# Altium PCB STB_LightBoard.PcbDoc (part 2 of 31) (continued)
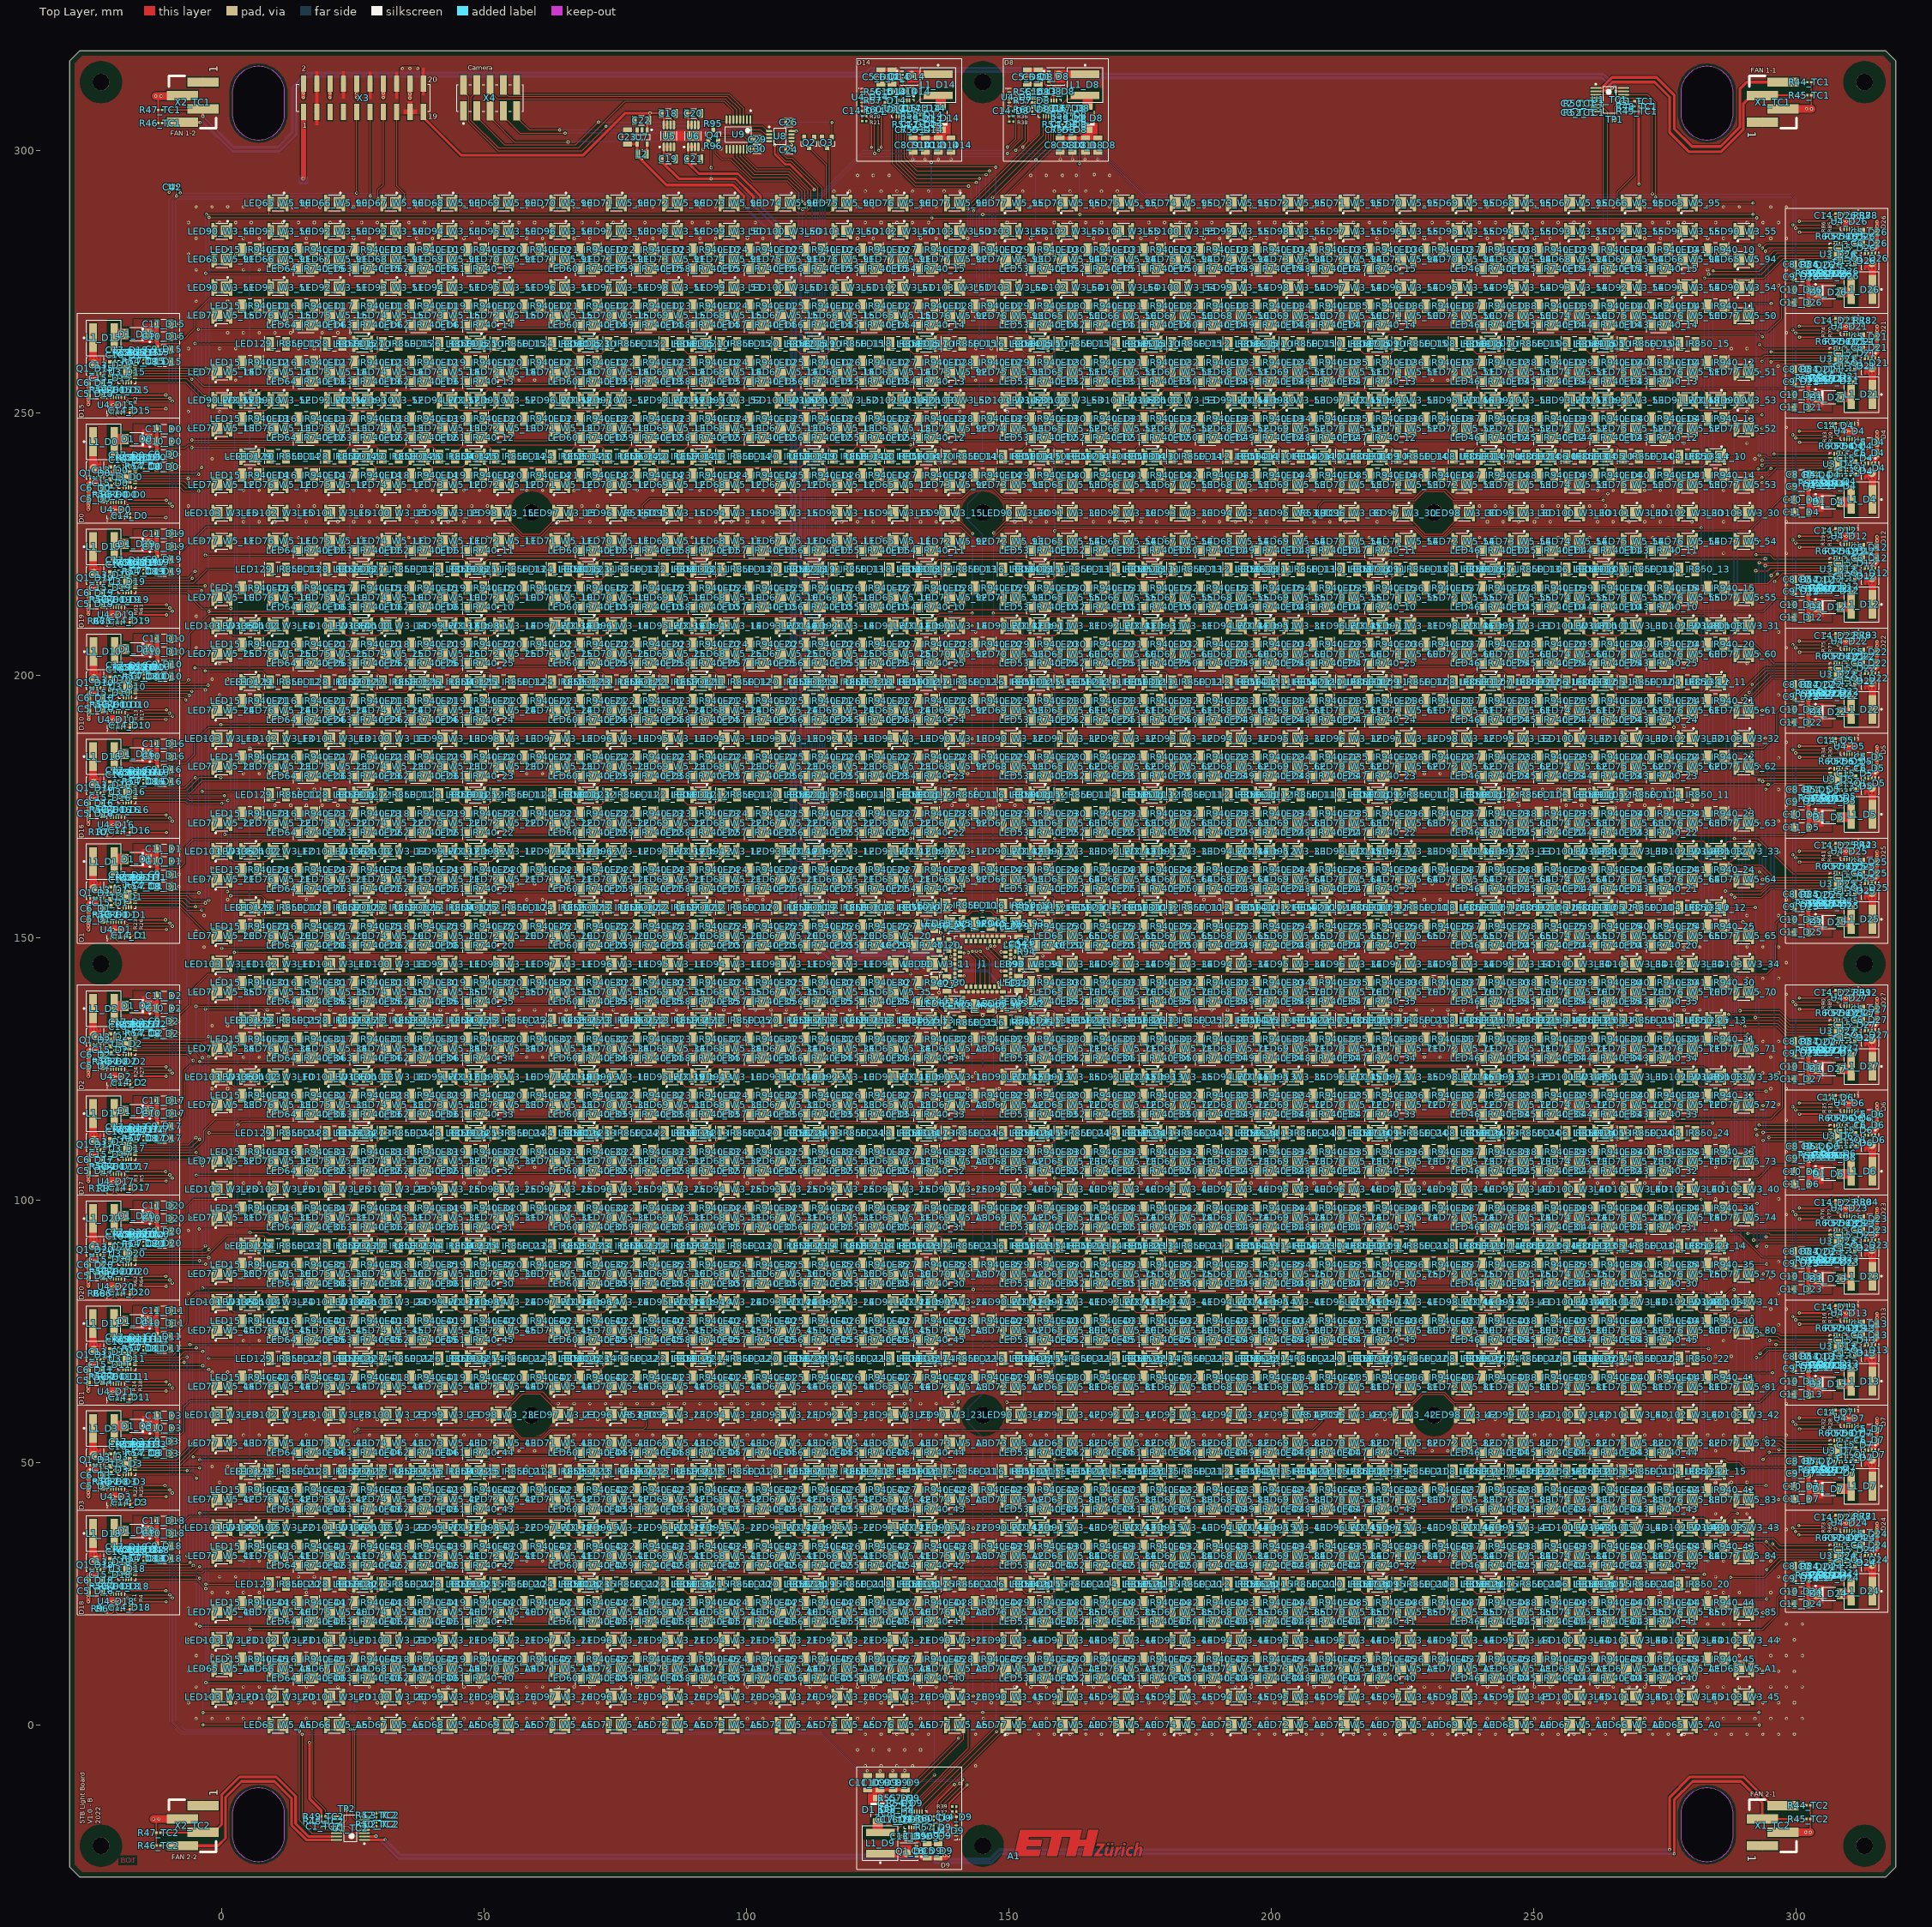
[diagram p0: Top Layer view]
## Classes and differential pairs (continued)
 NetLED55_IR740_40_1 NetLED55_IR740_41_1 NetLED55_IR740_42_1 NetLED55_IR740_43_1 NetLED55_IR740_44_1 NetLED55_IR740_45_1 NetLED56_IR740_10_1 NetLED56_IR740_11_1 NetLED56_IR740_12_1 NetLED56_IR740_13_1 NetLED56_IR740_14_1 NetLED56_IR740_15_1 NetLED56_IR740_20_1 NetLED56_IR740_21_1 NetLED56_IR740_22_1 NetLED56_IR740_23_1 NetLED56_IR740_24_1 NetLED56_IR740_25_1 NetLED56_IR740_30_1 NetLED56_IR740_31_1 NetLED56_IR740_32_1 NetLED56_IR740_33_1 NetLED56_IR740_34_1 NetLED56_IR740_35_1 NetLED56_IR740_40_1 NetLED56_IR740_41_1 NetLED56_IR740_42_1 NetLED56_IR740_43_1 NetLED56_IR740_44_1 NetLED56_IR740_45_1 NetLED57_IR740_10_1 NetLED57_IR740_11_1 NetLED57_IR740_12_1 NetLED57_IR740_13_1 NetLED57_IR740_14_1 NetLED57_IR740_15_1 NetLED57_IR740_20_1 NetLED57_IR740_21_1 NetLED57_IR740_22_1 NetLED57_IR740_23_1 NetLED57_IR740_24_1 NetLED57_IR740_25_1 NetLED57_IR740_30_1 NetLED57_IR740_31_1 NetLED57_IR740_32_1 NetLED57_IR740_33_1 NetLED57_IR740_34_1 NetLED57_IR740_35_1 NetLED57_IR740_40_1 NetLED57_IR740_41_1 NetLED57_IR740_42_1 NetLED57_IR740_43_1 NetLED57_IR740_44_1 NetLED57_IR740_45_1 NetLED58_IR740_10_1 NetLED58_IR740_11_1 NetLED58_IR740_12_1 NetLED58_IR740_13_1 NetLED58_IR740_14_1 NetLED58_IR740_15_1 NetLED58_IR740_20_1 NetLED58_IR740_21_1 NetLED58_IR740_22_1 NetLED58_IR740_23_1 NetLED58_IR740_24_1 NetLED58_IR740_25_1 NetLED58_IR740_30_1 NetLED58_IR740_31_1 NetLED58_IR740_32_1 NetLED58_IR740_33_1 NetLED58_IR740_34_1 NetLED58_IR740_35_1 NetLED58_IR740_40_1 NetLED58_IR740_41_1 NetLED58_IR740_42_1 NetLED58_IR740_43_1 NetLED58_IR740_44_1 NetLED58_IR740_45_1 NetLED59_IR740_10_1 NetLED59_IR740_11_1 NetLED59_IR740_12_1 NetLED59_IR740_13_1 NetLED59_IR740_14_1 NetLED59_IR740_15_1 NetLED59_IR740_20_1 NetLED59_IR740_21_1 NetLED59_IR740_22_1 NetLED59_IR740_23_1 NetLED59_IR740_24_1 NetLED59_IR740_25_1 NetLED59_IR740_30_1 NetLED59_IR740_31_1 NetLED59_IR740_32_1 NetLED59_IR740_33_1 NetLED59_IR740_34_1 NetLED59_IR740_35_1 NetLED59_IR740_40_1 NetLED59_IR740_41_1 NetLED59_IR740_42_1 NetLED59_IR740_43_1 NetLED59_IR740_44_1 NetLED59_IR740_45_1 NetLED60_IR740_10_1 NetLED60_IR740_11_1 NetLED60_IR740_12_1 NetLED60_IR740_13_1 NetLED60_IR740_14_1 NetLED60_IR740_15_1 NetLED60_IR740_20_1 NetLED60_IR740_21_1 NetLED60_IR740_22_1 NetLED60_IR740_23_1 NetLED60_IR740_24_1 NetLED60_IR740_25_1 NetLED60_IR740_30_1 NetLED60_IR740_31_1 NetLED60_IR740_32_1 NetLED60_IR740_33_1 NetLED60_IR740_34_1 NetLED60_IR740_35_1 NetLED60_IR740_40_1 NetLED60_IR740_41_1 NetLED60_IR740_42_1 NetLED60_IR740_43_1 NetLED60_IR740_44_1 NetLED60_IR740_45_1 NetLED61_IR740_10_1 NetLED61_IR740_11_1 NetLED61_IR740_12_1 NetLED61_IR740_13_1 NetLED61_IR740_14_1 NetLED61_IR740_15_1 NetLED61_IR740_20_1 NetLED61_IR740_21_1 NetLED61_IR740_22_1 NetLED61_IR740_23_1 NetLED61_IR740_24_1 NetLED61_IR740_25_1 NetLED61_IR740_30_1 NetLED61_IR740_31_1 NetLED61_IR740_32_1 NetLED61_IR740_33_1 NetLED61_IR740_34_1 NetLED61_IR740_35_1 NetLED61_IR740_40_1 NetLED61_IR740_41_1 NetLED61_IR740_42_1 NetLED61_IR740_43_1 NetLED61_IR740_44_1 NetLED61_IR740_45_1 NetLED62_IR740_10_1 NetLED62_IR740_11_1 NetLED62_IR740_12_1 NetLED62_IR740_13_1 NetLED62_IR740_14_1 NetLED62_IR740_15_1 NetLED62_IR740_20_1 NetLED62_IR740_21_1 NetLED62_IR740_22_1 NetLED62_IR740_23_1 NetLED62_IR740_24_1 NetLED62_IR740_25_1 NetLED62_IR740_30_1 NetLED62_IR740_31_1 NetLED62_IR740_32_1 NetLED62_IR740_33_1 NetLED62_IR740_34_1 NetLED62_IR740_35_1 NetLED62_IR740_40_1 NetLED62_IR740_41_1 NetLED62_IR740_42_1 NetLED62_IR740_43_1 NetLED62_IR740_44_1 NetLED62_IR740_45_1 NetLED63_IR740_10_1 NetLED63_IR740_11_1 NetLED63_IR740_12_1 NetLED63_IR740_13_1 NetLED63_IR740_14_1 NetLED63_IR740_15_1 NetLED63_IR740_20_1 NetLED63_IR740_21_1 NetLED63_IR740_22_1 NetLED63_IR740_23_1 NetLED63_IR740_24_1 NetLED63_IR740_25_1 NetLED63_IR740_30_1 NetLED63_IR740_31_1 NetLED63_IR740_32_1 NetLED63_IR740_33_1 NetLED63_IR740_34_1 NetLED63_IR740_35_1 NetLED63_IR740_40_1 NetLED63_IR740_41_1 NetLED63_IR740_42_1 NetLED63_IR740_43_1 NetLED63_IR740_44_1 NetLED63_IR740_45_1 NetLED65_W5_10_1 NetLED65_W5_11_1 NetLED65_W5_12_1 NetLED65_W5_13_1 NetLED65_W5_14_1 NetLED65_W5_15_1 NetLED65_W5_20_1 NetLED65_W5_21_1 NetLED65_W5_22_1 NetLED65_W5_23_1 NetLED65_W5_24_1 NetLED65_W5_25_1 NetLED65_W5_30_1 NetLED65_W5_31_1 NetLED65_W5_32_1 NetLED65_W5_33_1 NetLED65_W5_34_1 NetLED65_W5_35_1 NetLED65_W5_40_1 NetLED65_W5_41_1 NetLED65_W5_42_1 NetLED65_W5_43_1 NetLED65_W5_44_1 NetLED65_W5_45_1 NetLED65_W5_50_1 NetLED65_W5_51_1 NetLED65_W5_52_1 NetLED65_W5_53_1 NetLED65_W5_54_1 NetLED65_W5_55_1 NetLED65_W5_60_1 NetLED65_W5_61_1 NetLED65_W5_62_1 NetLED65_W5_63_1 NetLED65_W5_64_1 NetLED65_W5_65_1 NetLED65_W5_70_1 NetLED65_W5_71_1 NetLED65_W5_72_1 NetLED65_W5_73_1 NetLED65_W5_74_1 NetLED65_W5_75_1 NetLED65_W5_80_1 NetLED65_W5_81_1 NetLED65_W5_82_1 NetLED65_W5_83_1 NetLED65_W5_84_1 NetLED65_W5_85_1 NetLED65_W5_90_1 NetLED65_W5_91_1 NetLED65_W5_92_1 NetLED65_W5_93_1 NetLED65_W5_94_1 NetLED65_W5_95_1 NetLED65_W5_A0_1 NetLED65_W5_A1_1 NetLED65_W5_A2_1 NetLED65_W5_A3_1 NetLED65_W5_A4_1 NetLED65_W5_A5_1 NetLED66_W5_10_1 NetLED66_W5_11_1 NetLED66_W5_12_1 NetLED66_W5_13_1 NetLED66_W5_14_1 NetLED66_W5_15_1 NetLED66_W5_20_1 NetLED66_W5_21_1 NetLED66_W5_22_1 NetLED66_W5_23_1 NetLED66_W5_24_1 NetLED66_W5_25_1 NetLED66_W5_30_1 NetLED66_W5_31_1 NetLED66_W5_32_1 NetLED66_W5_33_1 NetLED66_W5_34_1 NetLED66_W5_35_1 NetLED66_W5_40_1 NetLED66_W5_41_1 NetLED66_W5_42_1 NetLED66_W5_43_1 NetLED66_W5_44_1 NetLED66_W5_45_1 NetLED66_W5_50_1 NetLED66_W5_51_1 NetLED66_W5_52_1 NetLED66_W5_53_1 NetLED66_W5_54_1 NetLED66_W5_55_1 NetLED66_W5_60_1 NetLED66_W5_61_1 NetLED66_W5_62_1 NetLED66_W5_63_1 NetLED66_W5_64_1 NetLED66_W5_65_1 NetLED66_W5_70_1 NetLED66_W5_71_1 NetLED66_W5_72_1 NetLED66_W5_73_1 NetLED66_W5_74_1 NetLED66_W5_75_1 NetLED66_W5_80_1 NetLED66_W5_81_1 NetLED66_W5_82_1 NetLED66_W5_83_1 NetLED66_W5_84_1 NetLED66_W5_85_1 NetLED66_W5_90_1 NetLED66_W5_91_1 NetLED66_W5_92_1 NetLED66_W5_93_1 NetLED66_W5_94_1 NetLED66_W5_95_1 NetLED66_W5_A0_1 NetLED66_W5_A1_1 NetLED66_W5_A2_1 NetLED66_W5_A3_1 NetLED66_W5_A4_1 NetLED66_W5_A5_1 NetLED67_W5_10_1 NetLED67_W5_11_1 NetLED67_W5_12_1 NetLED67_W5_13_1 NetLED67_W5_14_1 NetLED67_W5_15_1 NetLED67_W5_20_1 NetLED67_W5_21_1 NetLED67_W5_22_1 NetLED67_W5_23_1 NetLED67_W5_24_1 NetLED67_W5_25_1 NetLED67_W5_30_1 NetLED67_W5_31_1 NetLED67_W5_32_1 NetLED67_W5_33_1 NetLED67_W5_34_1 NetLED67_W5_35_1 NetLED67_W5_40_1 NetLED67_W5_41_1 NetLED67_W5_42_1 NetLED67_W5_43_1 NetLED67_W5_44_1 NetLED67_W5_45_1 NetLED67_W5_50_1 NetLED67_W5_51_1 NetLED67_W5_52_1 NetLED67_W5_53_1 NetLED67_W5_54_1 NetLED67_W5_55_1 NetLED67_W5_60_1 NetLED67_W5_61_1 NetLED67_W5_62_1 NetLED67_W5_63_1 NetLED67_W5_64_1 NetLED67_W5_65_1 NetLED67_W5_70_1 NetLED67_W5_71_1 NetLED67_W5_72_1 NetLED67_W5_73_1 NetLED67_W5_74_1 NetLED67_W5_75_1 NetLED67_W5_80_1 NetLED67_W5_81_1 NetLED67_W5_82_1 NetLED67_W5_83_1 NetLED67_W5_84_1 NetLED67_W5_85_1 NetLED67_W5_90_1 NetLED67_W5_91_1 NetLED67_W5_92_1 NetLED67_W5_93_1 NetLED67_W5_94_1 NetLED67_W5_95_1 NetLED67_W5_A0_1 NetLED67_W5_A1_1 NetLED67_W5_A2_1 NetLED67_W5_A3_1 NetLED67_W5_A4_1 NetLED67_W5_A5_1 NetLED68_W5_10_1 NetLED68_W5_11_1 NetLED68_W5_12_1 NetLED68_W5_13_1 NetLED68_W5_14_1 NetLED68_W5_15_1 NetLED68_W5_20_1 NetLED68_W5_21_1 NetLED68_W5_22_1 NetLED68_W5_23_1 NetLED68_W5_24_1 NetLED68_W5_25_1 NetLED68_W5_30_1 NetLED68_W5_31_1 NetLED68_W5_32_1 NetLED68_W5_33_1 NetLED68_W5_34_1 NetLED68_W5_35_1 NetLED68_W5_40_1 NetLED68_W5_41_1 NetLED68_W5_42_1 NetLED68_W5_43_1 NetLED68_W5_44_1 NetLED68_W5_45_1 NetLED68_W5_50_1 NetLED68_W5_51_1 NetLED68_W5_52_1 NetLED68_W5_53_1 NetLED68_W5_54_1 NetLED68_W5_55_1 NetLED68_W5_60_1 NetLED68_W5_61_1 NetLED68_W5_62_1 NetLED68_W5_63_1 NetLED68_W5_64_1 NetLED68_W5_65_1 NetLED68_W5_70_1 NetLED68_W5_71_1 NetLED68_W5_72_1 NetLED68_W5_73_1 NetLED68_W5_74_1 NetLED68_W5_75_1 NetLED68_W5_80_1 NetLED68_W5_81_1 NetLED68_W5_82_1 NetLED68_W5_83_1 NetLED68_W5_84_1 NetLED68_W5_85_1 NetLED68_W5_90_1 NetLED68_W5_91_1 NetLED68_W5_92_1 NetLED68_W5_93_1 NetLED68_W5_94_1 NetLED68_W5_95_1 NetLED68_W5_A0_1 NetLED68_W5_A1_1 NetLED68_W5_A2_1 NetLED68_W5_A3_1 NetLED68_W5_A4_1 NetLED68_W5_A5_1 NetLED69_W5_10_1 NetLED69_W5_11_1 NetLED69_W5_12_1 NetLED69_W5_13_1 NetLED69_W5_14_1 NetLED69_W5_15_1 NetLED69_W5_20_1 NetLED69_W5_21_1 NetLED69_W5_22_1 NetLED69_W5_23_1 NetLED69_W5_24_1 NetLED69_W5_25_1 NetLED69_W5_30_1 NetLED69_W5_31_1 NetLED69_W5_32_1 NetLED69_W5_33_1 NetLED69_W5_34_1 NetLED69_W5_35_1 NetLED69_W5_40_1 NetLED69_W5_41_1 NetLED69_W5_42_1 NetLED69_W5_43_1 NetLED69_W5_44_1 NetLED69_W5_45_1 NetLED69_W5_50_1 NetLED69_W5_51_1 NetLED69_W5_52_1 NetLED69_W5_53_1 NetLED69_W5_54_1 NetLED69_W5_55_1 NetLED69_W5_60_1 NetLED69_W5_61_1 NetLED69_W5_62_1 NetLED69_W5_63_1 NetLED69_W5_64_1 NetLED69_W5_65_1 NetLED69_W5_70_1 NetLED69_W5_71_1 NetLED69_W5_72_1 NetLED69_W5_73_1 NetLED69_W5_74_1 NetLED69_W5_75_1 NetLED69_W5_80_1 NetLED69_W5_81_1 NetLED69_W5_82_1 NetLED69_W5_83_1 NetLED69_W5_84_1 NetLED69_W5_85_1 NetLED69_W5_90_1 NetLED69_W5_91_1 NetLED69_W5_92_1 NetLED69_W5_93_1 NetLED69_W5_94_1 NetLED69_W5_95_1 NetLED69_W5_A0_1 NetLED69_W5_A1_1 NetLED69_W5_A2_1 NetLED69_W5_A3_1 NetLED69_W5_A4_1 NetLED69_W5_A5_1 NetLED70_W5_10_1 NetLED70_W5_11_1 NetLED70_W5_12_1 NetLED70_W5_13_1 NetLED70_W5_14_1 NetLED70_W5_15_1 NetLED70_W5_20_1 NetLED70_W5_21_1 NetLED70_W5_22_1 NetLED70_W5_23_1 NetLED70_W5_24_1 NetLED70_W5_25_1 NetLED70_W5_30_1 NetLED70_W5_31_1 NetLED70_W5_32_1 NetLED70_W5_33_1 NetLED70_W5_34_1 NetLED70_W5_35_1 NetLED70_W5_40_1 NetLED70_W5_41_1 NetLED70_W5_42_1 NetLED70_W5_43_1 NetLED70_W5_44_1 NetLED70_W5_45_1 NetLED70_W5_50_1 NetLED70_W5_51_1 NetLED70_W5_52_1 NetLED70_W5_53_1 NetLED70_W5_54_1 NetLED70_W5_55_1 NetLED70_W5_60_1 NetLED70_W5_61_1 NetLED70_W5_62_1 NetLED70_W5_63_1 NetLED70_W5_64_1 NetLED70_W5_65_1 NetLED70_W5_70_1 NetLED70_W5_71_1 NetLED70_W5_72_1 NetLED70_W5_73_1 NetLED70_W5_74_1 NetLED70_W5_75_1 NetLED70_W5_80_1 NetLED70_W5_81_1 NetLED70_W5_82_1 NetLED70_W5_83_1 NetLED70_W5_84_1 NetLED70_W5_85_1 NetLED70_W5_90_1 NetLED70_W5_91_1 NetLED70_W5_92_1 NetLED70_W5_93_1 NetLED70_W5_94_1 NetLED70_W5_95_1 NetLED70_W5_A0_1 NetLED70_W5_A1_1 NetLED70_W5_A2_1 NetLED70_W5_A3_1 NetLED70_W5_A4_1 NetLED70_W5_A5_1 NetLED71_W5_10_1 NetLED71_W5_11_1 NetLED71_W5_12_1 NetLED71_W5_13_1 NetLED71_W5_14_1 NetLED71_W5_15_1 NetLED71_W5_20_1 NetLED71_W5_21_1 NetLED71_W5_22_1 NetLED71_W5_23_1 NetLED71_W5_24_1 NetLED71_W5_25_1 NetLED71_W5_30_1 NetLED71_W5_31_1 NetLED71_W5_32_1 NetLED71_W5_33_1 NetLED71_W5_34_1 NetLED71_W5_35_1 NetLED71_W5_40_1 NetLED71_W5_41_1 NetLED71_W5_42_1 NetLED71_W5_43_1 NetLED71_W5_44_1 NetLED71_W5_45_1 NetLED71_W5_50_1 NetLED71_W5_51_1 NetLED71_W5_52_1 NetLED71_W5_53_1 NetLED71_W5_54_1 NetLED71_W5_55_1 NetLED71_W5_60_1 NetLED71_W5_61_1 NetLED71_W5_62_1 NetLED71_W5_63_1 NetLED71_W5_64_1 NetLED71_W5_65_1 NetLED71_W5_70_1 NetLED71_W5_71_1 NetLED71_W5_72_1 NetLED71_W5_73_1 NetLED71_W5_74_1 NetLED71_W5_75_1 NetLED71_W5_80_1 NetLED71_W5_81_1 NetLED71_W5_82_1 NetLED71_W5_83_1 NetLED71_W5_84_1 NetLED71_W5_85_1 NetLED71_W5_90_1 NetLED71_W5_91_1 NetLED71_W5_92_1 NetLED71_W5_93_1 NetLED71_W5_94_1 NetLED71_W5_95_1 NetLED71_W5_A0_1 NetLED71_W5_A1_1 NetLED71_W5_A2_1 NetLED71_W5_A3_1 NetLED71_W5_A4_1 NetLED71_W5_A5_1 NetLED72_W5_10_1 NetLED72_W5_11_1 NetLED72_W5_12_1 NetLED72_W5_13_1 NetLED72_W5_14_1 NetLED72_W5_15_1 NetLED72_W5_20_1 NetLED72_W5_21_1 NetLED72_W5_22_1 NetLED72_W5_23_1 NetLED72_W5_24_1 NetLED72_W5_25_1 NetLED72_W5_30_1 NetLED72_W5_31_1 NetLED72_W5_32_1 NetLED72_W5_33_1 NetLED72_W5_34_1 NetLED72_W5_35_1 NetLED72_W5_40_1 NetLED72_W5_41_1 NetLED72_W5_42_1 NetLED72_W5_43_1 NetLED72_W5_44_1 NetLED72_W5_45_1 NetLED72_W5_50_1 NetLED72_W5_51_1 NetLED72_W5_52_1 NetLED72_W5_53_1 NetLED72_W5_54_1 NetLED72_W5_55_1 NetLED72_W5_60_1 NetLED72_W5_61_1 NetLED72_W5_62_1 NetLED72_W5_63_1 NetLED72_W5_64_1 NetLED72_W5_65_1 NetLED72_W5_70_1 NetLED72_W5_71_1 NetLED72_W5_72_1 NetLED72_W5_73_1 NetLED72_W5_74_1 NetLED72_W5_75_1 NetLED72_W5_80_1 NetLED72_W5_81_1 NetLED72_W5_82_1 NetLED72_W5_83_1 NetLED72_W5_84_1 NetLED72_W5_85_1 NetLED72_W5_90_1 NetLED72_W5_91_1 NetLED72_W5_92_1 NetLED72_W5_93_1 NetLED72_W5_94_1 NetLED72_W5_95_1 NetLED72_W5_A0_1 NetLED72_W5_A1_1 NetLED72_W5_A2_1 NetLED72_W5_A3_1 NetLED72_W5_A4_1 NetLED72_W5_A5_1 NetLED73_W5_10_1 NetLED73_W5_11_1 NetLED73_W5_12_1 NetLED73_W5_13_1 NetLED73_W5_14_1 NetLED73_W5_15_1 NetLED73_W5_20_1 NetLED73_W5_21_1 NetLED73_W5_22_1 NetLED73_W5_23_1 NetLED73_W5_24_1 NetLED73_W5_25_1 NetLED73_W5_30_1 NetLED73_W5_31_1 NetLED73_W5_32_1 NetLED73_W5_33_1 NetLED73_W5_34_1 NetLED73_W5_35_1 NetLED73_W5_40_1 NetLED73_W5_41_1 NetLED73_W5_42_1 NetLED73_W5_43_1 NetLED73_W5_44_1 NetLED73_W5_45_1 NetLED73_W5_50_1 NetLED73_W5_51_1 NetLED73_W5_52_1 NetLED73_W5_53_1 NetLED73_W5_54_1 NetLED73_W5_55_1 NetLED73_W5_60_1 NetLED73_W5_61_1 NetLED73_W5_62_1 NetLED73_W5_63_1 NetLED73_W5_64_1 NetLED73_W5_65_1 NetLED73_W5_70_1 NetLED73_W5_71_1 NetLED73_W5_72_1 NetLED73_W5_73_1 NetLED73_W5_74_1 NetLED73_W5_75_1 NetLED73_W5_80_1 NetLED73_W5_81_1 NetLED73_W5_82_1 NetLED73_W5_83_1 NetLED73_W5_84_1 NetLED73_W5_85_1 NetLED73_W5_90_1 NetLED73_W5_91_1 NetLED73_W5_92_1 NetLED73_W5_93_1 NetLED73_W5_94_1 NetLED73_W5_95_1 NetLED73_W5_A0_1 NetLED73_W5_A1_1 NetLED73_W5_A2_1 NetLED73_W5_A3_1 NetLED73_W5_A4_1 NetLED73_W5_A5_1 NetLED74_W5_10_1 NetLED74_W5_11_1 NetLED74_W5_12_1 NetLED74_W5_13_1 NetLED74_W5_14_1 NetLED74_W5_15_1 NetLED74_W5_20_1 NetLED74_W5_21_1 NetLED74_W5_22_1 NetLED74_W5_23_1 NetLED74_W5_24_1 NetLED74_W5_25_1 NetLED74_W5_30_1 NetLED74_W5_31_1 NetLED74_W5_32_1 NetLED74_W5_33_1 NetLED74_W5_34_1 NetLED74_W5_35_1 NetLED74_W5_40_1 NetLED74_W5_41_1 NetLED74_W5_42_1 NetLED74_W5_43_1 NetLED74_W5_44_1 NetLED74_W5_45_1 NetLED74_W5_50_1 NetLED74_W5_51_1 NetLED74_W5_52_1 NetLED74_W5_53_1 NetLED74_W5_54_1 NetLED74_W5_55_1 NetLED74_W5_60_1 NetLED74_W5_61_1 NetLED74_W5_62_1 NetLED74_W5_63_1 NetLED74_W5_64_1 NetLED74_W5_65_1 NetLED74_W5_70_1 NetLED74_W5_71_1 NetLED74_W5_72_1 NetLED74_W5_73_1 NetLED74_W5_74_1 NetLED74_W5_75_1 NetLED74_W5_80_1 NetLED74_W5_81_1 NetLED74_W5_82_1 NetLED74_W5_83_1 NetLED74_W5_84_1 NetLED74_W5_85_1 NetLED74_W5_90_1 NetLED74_W5_91_1 NetLED74_W5_92_1 NetLED74_W5_93_1 NetLED74_W5_94_1 NetLED74_W5_95_1 NetLED74_W5_A0_1 NetLED74_W5_A1_1 NetLED74_W5_A2_1 NetLED74_W5_A3_1 NetLED74_W5_A4_1 NetLED74_W5_A5_1 NetLED75_W5_10_1 NetLED75_W5_11_1 NetLED75_W5_12_1 NetLED75_W5_13_1 NetLED75_W5_14_1 NetLED75_W5_15_1 NetLED75_W5_20_1 NetLED75_W5_21_1 NetLED75_W5_22_1 NetLED75_W5_23_1 NetLED75_W5_24_1 NetLED75_W5_25_1 NetLED75_W5_30_1 NetLED75_W5_31_1 NetLED75_W5_32_1 NetLED75_W5_33_1 NetLED75_W5_34_1 NetLED75_W5_35_1 NetLED75_W5_40_1 NetLED75_W5_41_1 NetLED75_W5_42_1 NetLED75_W5_43_1 NetLED75_W5_44_1 NetLED75_W5_45_1 NetLED75_W5_50_1 NetLED75_W5_51_1 NetLED75_W5_52_1 NetLED75_W5_53_1 NetLED75_W5_54_1 NetLED75_W5_55_1 NetLED75_W5_60_1 NetLED75_W5_61_1 NetLED75_W5_62_1 NetLED75_W5_63_1 NetLED75_W5_64_1 NetLED75_W5_65_1 NetLED75_W5_70_1 NetLED75_W5_71_1 NetLED75_W5_72_1 NetLED75_W5_73_1 NetLED75_W5_74_1 NetLED75_W5_75_1 NetLED75_W5_80_1 NetLED75_W5_81_1 NetLED75_W5_82_1 NetLED75_W5_83_1 NetLED75_W5_84_1 NetLED75_W5_85_1 NetLED75_W5_90_1 NetLED75_W5_91_1 NetLED75_W5_92_1 NetLED75_W5_93_1 NetLED75_W5_94_1 NetLED75_W5_95_1 NetLED75_W5_A0_1 NetLED75_W5_A1_1 NetLED75_W5_A2_1 NetLED75_W5_A3_1 NetLED75_W5_A4_1 NetLED75_W5_A5_1 NetLED76_W5_10_1 NetLED76_W5_11_1 NetLED76_W5_12_1 NetLED76_W5_13_1 NetLED76_W5_14_1 NetLED76_W5_15_1 NetLED76_W5_20_1 NetLED76_W5_21_1 NetLED76_W5_22_1 NetLED76_W5_23_1 NetLED76_W5_24_1 NetLED76_W5_25_1 NetLED76_W5_30_1 NetLED76_W5_31_1 NetLED76_W5_32_1 NetLED76_W5_33_1 NetLED76_W5_34_1 NetLED76_W5_35_1 NetLED76_W5_40_1 NetLED76_W5_41_1 NetLED76_W5_42_1 NetLED76_W5_43_1 NetLED76_W5_44_1 NetLED76_W5_45_1 NetLED76_W5_50_1 NetLED76_W5_51_1 NetLED76_W5_52_1 NetLED76_W5_53_1 NetLED76_W5_54_1 NetLED76_W5_55_1 NetLED76_W5_60_1 NetLED76_W5_61_1 NetLED76_W5_62_1 NetLED76_W5_63_1 NetLED76_W5_64_1 NetLED76_W5_65_1 NetLED76_W5_70_1 NetLED76_W5_71_1 NetLED76_W5_72_1 NetLED76_W5_73_1 NetLED76_W5_74_1 NetLED76_W5_75_1 NetLED76_W5_80_1 NetLED76_W5_81_1 NetLED76_W5_82_1 NetLED76_W5_83_1 NetLED76_W5_84_1 NetLED76_W5_85_1 NetLED76_W5_90_1 NetLED76_W5_91_1 NetLED76_W5_92_1 NetLED76_W5_93_1 NetLED76_W5_94_1 NetLED76_W5_95_1 NetLED76_W5_A0_1 NetLED76_W5_A1_1 NetLED76_W5_A2_1 NetLED76_W5_A3_1 NetLED76_W5_A4_1 NetLED76_W5_A5_1 NetLED78_g_10_1 NetLED78_g_11_1 NetLED78_g_12_1 NetLED78_g_13_1 NetLED78_g_14_1 NetLED78_g_15_1 NetLED79_g_10_1 NetLED79_g_11_1 NetLED79_g_12_1 NetLED79_g_13_1 NetLED79_g_14_1 NetLED79_g_15_1 NetLED80_g_10_1 NetLED80_g_11_1 NetLED80_g_12_1 NetLED80_g_13_1 NetLED80_g_14_1 NetLED80_g_15_1 NetLED81_g_10_1 NetLED81_g_11_1 NetLED81_g_12_1 NetLED81_g_13_1 NetLED81_g_14_1 NetLED81_g_15_1 NetLED82_g_10_1 NetLED82_g_11_1 NetLED82_g_12_1 NetLED82_g_13_1 NetLED82_g_14_1 NetLED82_g_15_1 NetLED83_g_10_1 NetLED83_g_11_1 NetLED83_g_12_1 NetLED83_g_13_1 NetLED83_g_14_1 NetLED83_g_15_1 NetLED84_g_10_1 NetLED84_g_11_1 NetLED84_g_12_1 NetLED84_g_13_1 NetLED84_g_14_1 NetLED84_g_15_1 NetLED85_g_10_1 NetLED85_g_11_1 NetLED85_g_12_1 NetLED85_g_13_1 NetLED85_g_14_1 NetLED85_g_15_1 NetLED86_g_10_1 NetLED86_g_11_1 NetLED86_g_12_1 NetLED86_g_13_1 NetLED86_g_14_1 NetLED86_g_15_1 NetLED87_g_10_1 NetLED87_g_11_1 NetLED87_g_12_1 NetLED87_g_13_1 NetLED87_g_14_1 NetLED87_g_15_1 NetLED88_g_10_1 NetLED88_g_11_1 NetLED88_g_12_1 NetLED88_g_13_1 NetLED88_g_14_1 NetLED88_g_15_1 NetLED90_W3_10_1 NetLED90_W3_11_1 NetLED90_W3_12_1 NetLED90_W3_13_1 NetLED90_W3_14_1 NetLED90_W3_15_1 NetLED90_W3_20_1 NetLED90_W3_21_1 NetLED90_W3_22_1 NetLED90_W3_23_1 NetLED90_W3_24_1 NetLED90_W3_25_1 NetLED90_W3_30_1 NetLED90_W3_31_1 NetLED90_W3_32_1 NetLED90_W3_33_1 NetLED90_W3_34_1 NetLED90_W3_35_1 NetLED90_W3_40_1 NetLED90_W3_41_1 NetLED90_W3_42_1 NetLED90_W3_43_1 NetLED90_W3_44_1 NetLED90_W3_45_1 NetLED90_W3_50_1 NetLED90_W3_51_1 NetLED90_W3_52_1 NetLED90_W3_53_1 NetLED90_W3_54_1 NetLED90_W3_55_1 NetLED91_W3_10_1 NetLED91_W3_11_1 NetLED91_W3_12_1 NetLED91_W3_13_1 NetLED91_W3_14_1 NetLED91_W3_15_1 NetLED91_W3_20_1 NetLED91_W3_21_1 NetLED91_W3_22_1 NetLED91_W3_23_1 NetLED91_W3_24_1 NetLED91_W3_25_1 NetLED91_W3_30_1 NetLED91_W3_31_1 NetLED91_W3_32_1 NetLED91_W3_33_1 NetLED91_W3_34_1 NetLED91_W3_35_1 NetLED91_W3_40_1 NetLED91_W3_41_1 NetLED91_W3_42_1 NetLED91_W3_43_1 NetLED91_W3_44_1 NetLED91_W3_45_1 NetLED91_W3_50_1 NetLED91_W3_51_1 NetLED91_W3_52_1 NetLED91_W3_53_1 NetLED91_W3_54_1 NetLED91_W3_55_1 NetLED92_W3_10_1 NetLED92_W3_11_1 NetLED92_W3_12_1 NetLED92_W3_13_1 NetLED92_W3_14_1 NetLED92_W3_15_1 NetLED92_W3_20_1 NetLED92_W3_21_1 NetLED92_W3_22_1 NetLED92_W3_23_1 NetLED92_W3_24_1 NetLED92_W3_25_1 NetLED92_W3_30_1 NetLED92_W3_31_1 NetLED92_W3_32_1 NetLED92_W3_33_1 NetLED92_W3_34_1 NetLED92_W3_35_1 NetLED92_W3_40_1 NetLED92_W3_41_1 NetLED92_W3_42_1 NetLED92_W3_43_1 NetLED92_W3_44_1 NetLED92_W3_45_1 NetLED92_W3_50_1 NetLED92_W3_51_1 NetLED92_W3_52_1 NetLED92_W3_53_1 NetLED92_W3_54_1 NetLED92_W3_55_1 NetLED93_W3_10_1 NetLED93_W3_11_1 NetLED93_W3_12_1 NetLED93_W3_13_1 NetLED93_W3_14_1 NetLED93_W3_15_1 NetLED93_W3_20_1 NetLED93_W3_21_1 NetLED93_W3_22_1 NetLED93_W3_23_1 NetLED93_W3_24_1 NetLED93_W3_25_1 NetLED93_W3_30_1 NetLED93_W3_31_1 NetLED93_W3_32_1 NetLED93_W3_33_1 NetLED93_W3_34_1 NetLED93_W3_35_1 NetLED93_W3_40_1 NetLED93_W3_41_1 NetLED93_W3_42_1 NetLED93_W3_43_1 NetLED93_W3_44_1 NetLED93_W3_45_1 NetLED93_W3_50_1 NetLED93_W3_51_1 NetLED93_W3_52_1 NetLED93_W3_53_1 NetLED93_W3_54_1 NetLED93_W3_55_1 NetLED94_W3_10_1 NetLED94_W3_11_1 NetLED94_W3_12_1 NetLED94_W3_13_1 NetLED94_W3_14_1 NetLED94_W3_15_1 NetLED94_W3_20_1 NetLED94_W3_21_1 NetLED94_W3_22_1 NetLED94_W3_23_1 NetLED94_W3_24_1 NetLED94_W3_25_1 NetLED94_W3_30_1 NetLED94_W3_31_1 NetLED94_W3_32_1 NetLED94_W3_33_1 NetLED94_W3_34_1 NetLED94_W3_35_1 NetLED94_W3_40_1 NetLED94_W3_41_1 NetLED94_W3_42_1 NetLED94_W3_43_1 NetLED94_W3_44_1 NetLED94_W3_45_1 NetLED94_W3_50_1 NetLED94_W3_51_1 NetLED94_W3_52_1 NetLED94_W3_53_1 NetLED94_W3_54_1 NetLED94_W3_55_1 NetLED95_W3_10_1 NetLED95_W3_11_1 NetLED95_W3_12_1 NetLED95_W3_13_1 NetLED95_W3_14_1 NetLED95_W3_15_1 NetLED95_W3_20_1 NetLED95_W3_21_1 NetLED95_W3_22_1 NetLED95_W3_23_1 NetLED95_W3_24_1 NetLED95_W3_25_1 NetLED95_W3_30_1 NetLED95_W3_31_1 NetLED95_W3_32_1 NetLED95_W3_33_1 NetLED95_W3_34_1 NetLED95_W3_35_1 NetLED95_W3_40_1 NetLED95_W3_41_1 NetLED95_W3_42_1 NetLED95_W3_43_1 NetLED95_W3_44_1 NetLED95_W3_45_1 NetLED95_W3_50_1 NetLED95_W3_51_1 NetLED95_W3_52_1 NetLED95_W3_53_1 NetLED95_W3_54_1 NetLED95_W3_55_1 NetLED96_W3_10_1 NetLED96_W3_11_1 NetLED96_W3_12_1 NetLED96_W3_13_1 NetLED96_W3_14_1 NetLED96_W3_15_1 NetLED96_W3_20_1 NetLED96_W3_21_1 NetLED96_W3_22_1 NetLED96_W3_23_1 NetLED96_W3_24_1 NetLED96_W3_25_1 NetLED96_W3_30_1 NetLED96_W3_31_1 NetLED96_W3_32_1 NetLED96_W3_33_1 NetLED96_W3_34_1 NetLED96_W3_35_1 NetLED96_W3_40_1 NetLED96_W3_41_1 NetLED96_W3_42_1 NetLED96_W3_43_1 NetLED96_W3_44_1 NetLED96_W3_45_1 NetLED96_W3_50_1 NetLED96_W3_51_1 NetLED96_W3_52_1 NetLED96_W3_53_1 NetLED96_W3_54_1 NetLED96_W3_55_1 NetLED97_W3_10_1 NetLED97_W3_11_1 NetLED97_W3_12_1 NetLED97_W3_13_1 NetLED97_W3_14_1 NetLED97_W3_15_1 NetLED97_W3_20_1 NetLED97_W3_21_1 NetLED97_W3_22_1 NetLED97_W3_23_1 NetLED97_W3_24_1 NetLED97_W3_25_1 NetLED97_W3_30_1 NetLED97_W3_31_1 NetLED97_W3_32_1 NetLED97_W3_33_1 NetLED97_W3_34_1 NetLED97_W3_35_1 NetLED97_W3_40_1 NetLED97_W3_41_1 NetLED97_W3_42_1 NetLED97_W3_43_1 NetLED97_W3_44_1 NetLED97_W3_45_1 NetLED97_W3_50_1 NetLED97_W3_51_1 NetLED97_W3_52_1 NetLED97_W3_53_1 NetLED97_W3_54_1 NetLED97_W3_55_1 NetLED98_W3_10_1 NetLED98_W3_11_1 NetLED98_W3_12_1 NetLED98_W3_13_1 NetLED98_W3_14_1 NetLED98_W3_15_1 NetLED98_W3_20_1 NetLED98_W3_21_1 NetLED98_W3_22_1 NetLED98_W3_23_1 NetLED98_W3_24_1 NetLED98_W3_25_1 NetLED98_W3_30_1 NetLED98_W3_31_1 NetLED98_W3_32_1 NetLED98_W3_33_1 NetLED98_W3_34_1 NetLED98_W3_35_1 NetLED98_W3_40_1 NetLED98_W3_41_1 NetLED98_W3_42_1 NetLED98_W3_43_1 NetLED98_W3_44_1 NetLED98_W3_45_1 NetLED98_W3_50_1 NetLED98_W3_51_1 NetLED98_W3_52_1 NetLED98_W3_53_1 NetLED98_W3_54_1 NetLED98_W3_55_1 NetLED99_W3_10_1 NetLED99_W3_11_1 NetLED99_W3_12_1 NetLED99_W3_13_1 NetLED99_W3_14_1 NetLED99_W3_15_1 NetLED99_W3_20_1 NetLED99_W3_21_1 NetLED99_W3_22_1 NetLED99_W3_23_1 NetLED99_W3_24_1 NetLED99_W3_25_1 NetLED99_W3_30_1 NetLED99_W3_31_1 NetLED99_W3_32_1 NetLED99_W3_33_1 NetLED99_W3_34_1 NetLED99_W3_35_1 NetLED99_W3_40_1 NetLED99_W3_41_1 NetLED99_W3_42_1 NetLED99_W3_43_1 NetLED99_W3_44_1 NetLED99_W3_45_1 NetLED99_W3_50_1 NetLED99_W3_51_1 NetLED99_W3_52_1 NetLED99_W3_53_1 NetLED99_W3_54_1 NetLED99_W3_55_1 NetLED100_W3_10_1 NetLED100_W3_11_1 NetLED100_W3_12_1 NetLED100_W3_13_1 NetLED100_W3_14_1 NetLED100_W3_15_1 NetLED100_W3_20_1 NetLED100_W3_21_1 NetLED100_W3_22_1 NetLED100_W3_23_1 NetLED100_W3_24_1 NetLED100_W3_25_1 NetLED100_W3_30_1 NetLED100_W3_31_1 NetLED100_W3_32_1 NetLED100_W3_33_1 NetLED100_W3_34_1 NetLED100_W3_35_1 NetLED100_W3_40_1 NetLED100_W3_41_1 NetLED100_W3_42_1 NetLED100_W3_43_1 NetLED100_W3_44_1 NetLED100_W3_45_1 NetLED100_W3_50_1 NetLED100_W3_51_1 NetLED100_W3_52_1 NetLED100_W3_53_1 NetLED100_W3_54_1 NetLED100_W3_55_1 NetLED101_W3_10_1 NetLED101_W3_11_1 NetLED101_W3_12_1 NetLED101_W3_13_1 NetLED101_W3_14_1 NetLED101_W3_15_1 NetLED101_W3_20_1 NetLED101_W3_21_1 NetLED101_W3_22_1 NetLED101_W3_23_1 NetLED101_W3_24_1 NetLED101_W3_25_1 NetLED101_W3_30_1 NetLED101_W3_31_1 NetLED101_W3_32_1 NetLED101_W3_33_1 NetLED101_W3_34_1 NetLED101_W3_35_1 NetLED101_W3_40_1 NetLED101_W3_41_1 NetLED101_W3_42_1 NetLED101_W3_43_1 NetLED101_W3_44_1 NetLED101_W3_45_1 NetLED101_W3_50_1 NetLED101_W3_51_1 NetLED101_W3_52_1 NetLED101_W3_53_1 NetLED101_W3_54_1 NetLED101_W3_55_1 NetLED102_W3_10_1 NetLED102_W3_11_1 NetLED102_W3_12_1 NetLED102_W3_13_1 NetLED102_W3_14_1 NetLED102_W3_15_1 NetLED102_W3_20_1 NetLED102_W3_21_1 NetLED102_W3_22_1 NetLED102_W3_23_1 NetLED102_W3_24_1 NetLED102_W3_25_1 NetLED102_W3_30_1 NetLED102_W3_31_1 NetLED102_W3_32_1 NetLED102_W3_33_1 NetLED102_W3_34_1 NetLED102_W3_35_1 NetLED102_W3_40_1 NetLED102_W3_41_1 NetLED102_W3_42_1 NetLED102_W3_43_1 NetLED102_W3_44_1 NetLED102_W3_45_1 NetLED102_W3_50_1 NetLED102_W3_51_1 NetLED102_W3_52_1 NetLED102_W3_53_1 NetLED102_W3_54_1 NetLED102_W3_55_1 NetLED104_IR850_10_1 NetLED104_IR850_11_1 NetLED104_IR850_12_1 NetLED104_IR850_13_1 NetLED104_IR850_14_1 NetLED104_IR850_15_1 NetLED104_IR850_20_1 NetLED104_IR850_21_1 NetLED104_IR850_22_1 NetLED104_IR850_23_1 NetLED104_IR850_24_1 NetLED104_IR850_25_1 NetLED106_IR850_10_1 NetLED106_IR850_11_1 NetLED106_IR850_12_1 NetLED106_IR850_13_1 NetLED106_IR850_14_1 NetLED106_IR850_15_1 NetLED106_IR850_20_1 NetLED106_IR850_21_1 NetLED106_IR850_22_1 NetLED106_IR850_23_1 NetLED106_IR850_24_1 NetLED106_IR850_25_1 NetLED107_IR850_10_1 NetLED107_IR850_11_1 NetLED107_IR850_12_1 NetLED107_IR850_13_1 NetLED107_IR850_14_1 NetLED107_IR850_15_1 NetLED107_IR850_20_1 NetLED107_IR850_21_1 NetLED107_IR850_22_1 NetLED107_IR850_23_1 NetLED107_IR850_24_1 NetLED107_IR850_25_1 NetLED108_IR850_10_1 NetLED108_IR850_11_1 NetLED108_IR850_12_1 NetLED108_IR850_13_1 NetLED108_IR850_14_1 NetLED108_IR850_15_1 NetLED108_IR850_20_1 NetLED108_IR850_21_1 NetLED108_IR850_22_1 NetLED108_IR850_23_1 NetLED108_IR850_24_1 NetLED108_IR850_25_1 NetLED109_IR850_10_1 NetLED109_IR850_11_1 NetLED109_IR850_12_1 NetLED109_IR850_13_1 NetLED109_IR850_14_1 NetLED109_IR850_15_1 NetLED109_IR850_20_1 NetLED109_IR850_21_1 NetLED109_IR850_22_1 NetLED109_IR850_23_1 NetLED109_IR850_24_1 NetLED109_IR850_25_1 NetLED110_IR850_10_1 NetLED110_IR850_11_1 NetLED110_IR850_12_1 NetLED110_IR850_13_1 NetLED110_IR850_14_1 NetLED110_IR850_15_1 NetLED110_IR850_20_1 NetLED110_IR850_21_1 NetLED110_IR850_22_1 NetLED110_IR850_23_1 NetLED110_IR850_24_1 NetLED110_IR850_25_1 NetLED111_IR850_10_1 NetLED111_IR850_11_1 NetLED111_IR850_12_1 NetLED111_IR850_13_1 NetLED111_IR850_14_1 NetLED111_IR850_15_1 NetLED111_IR850_20_1 NetLED111_IR850_21_1 NetLED111_IR850_22_1 NetLED111_IR850_23_1 NetLED111_IR850_24_1 NetLED111_IR850_25_1 NetLED112_IR850_10_1 NetLED112_IR850_11_1 NetLED112_IR850_12_1 NetLED112_IR850_13_1 NetLED112_IR850_14_1 NetLED112_IR850_15_1 NetLED112_IR850_20_1 NetLED112_IR850_21_1 NetLED112_IR850_22_1 NetLED112_IR850_23_1 NetLED112_IR850_24_1 NetLED112_IR850_25_1 NetLED113_IR850_10_1 NetLED113_IR850_11_1 NetLED113_IR850_12_1 NetLED113_IR850_13_1 NetLED113_IR850_14_1 NetLED113_IR850_15_1 NetLED113_IR850_20_1 NetLED113_IR850_21_1 NetLED113_IR850_22_1 NetLED113_IR850_23_1 NetLED113_IR850_24_1 NetLED113_IR850_25_1 NetLED114_IR850_10_1 NetLED114_IR850_11_1 NetLED114_IR850_12_1 NetLED114_IR850_13_1 NetLED114_IR850_14_1 NetLED114_IR850_15_1 NetLED114_IR850_20_1 NetLED114_IR850_21_1 NetLED114_IR850_22_1 NetLED114_IR850_23_1 NetLED114_IR850_24_1 NetLED114_IR850_25_1 NetLED116_IR850_10_1 NetLED116_IR850_11_1 NetLED116_IR850_12_1 NetLED116_IR850_13_1 NetLED116_IR850_14_1 NetLED116_IR850_15_1 NetLED116_IR850_20_1 NetLED116_IR850_21_1 NetLED116_IR850_22_1 NetLED116_IR850_23_1 NetLED116_IR850_24_1 NetLED116_IR850_25_1 NetLED117_IR850_10_1 NetLED117_IR850_11_1 NetLED117_IR850_12_1 NetLED117_IR850_13_1 NetLED117_IR850_14_1 NetLED117_IR850_15_1 NetLED117_IR850_20_1 NetLED117_IR850_21_1 NetLED117_IR850_22_1 NetLED117_IR850_23_1 NetLED117_IR850_24_1 NetLED117_IR850_25_1 NetLED118_IR850_10_1 NetLED118_IR850_11_1 NetLED118_IR850_12_1 NetLED118_IR850_13_1 NetLED118_IR850_14_1 NetLED118_IR850_15_1 NetLED118_IR850_20_1 NetLED118_IR850_21_1 NetLED118_IR850_22_1 NetLED118_IR850_23_1 NetLED118_IR850_24_1 NetLED118_IR850_25_1 NetLED119_IR850_10_1 NetLED119_IR850_11_1 NetLED119_IR850_12_1 NetLED119_IR850_13_1 NetLED119_IR850_14_1 NetLED119_IR850_15_1 NetLED119_IR850_20_1 NetLED119_IR850_21_1 NetLED119_IR850_22_1 NetLED119_IR850_23_1 NetLED119_IR850_24_1 NetLED119_IR850_25_1 NetLED120_IR850_10_1 NetLED120_IR850_11_1 NetLED120_IR850_12_1 NetLED120_IR850_13_1 NetLED120_IR850_14_1 NetLED120_IR850_15_1 NetLED120_IR850_20_1 NetLED120_IR850_21_1 NetLED120_IR850_22_1 NetLED120_IR850_23_1 NetLED120_IR850_24_1 NetLED120_IR850_25_1 NetLED121_IR850_10_1 NetLED121_IR850_11_1 NetLED121_IR850_12_1 NetLED121_IR850_13_1 NetLED121_IR850_14_1 NetLED121_IR850_15_1 NetLED121_IR850_20_1 NetLED121_IR850_21_1 NetLED121_IR850_22_1 NetLED121_IR850_23_1 NetLED121_IR850_24_1